# Altium PCB roach2.PcbDoc (part 5 of 39) (continued)
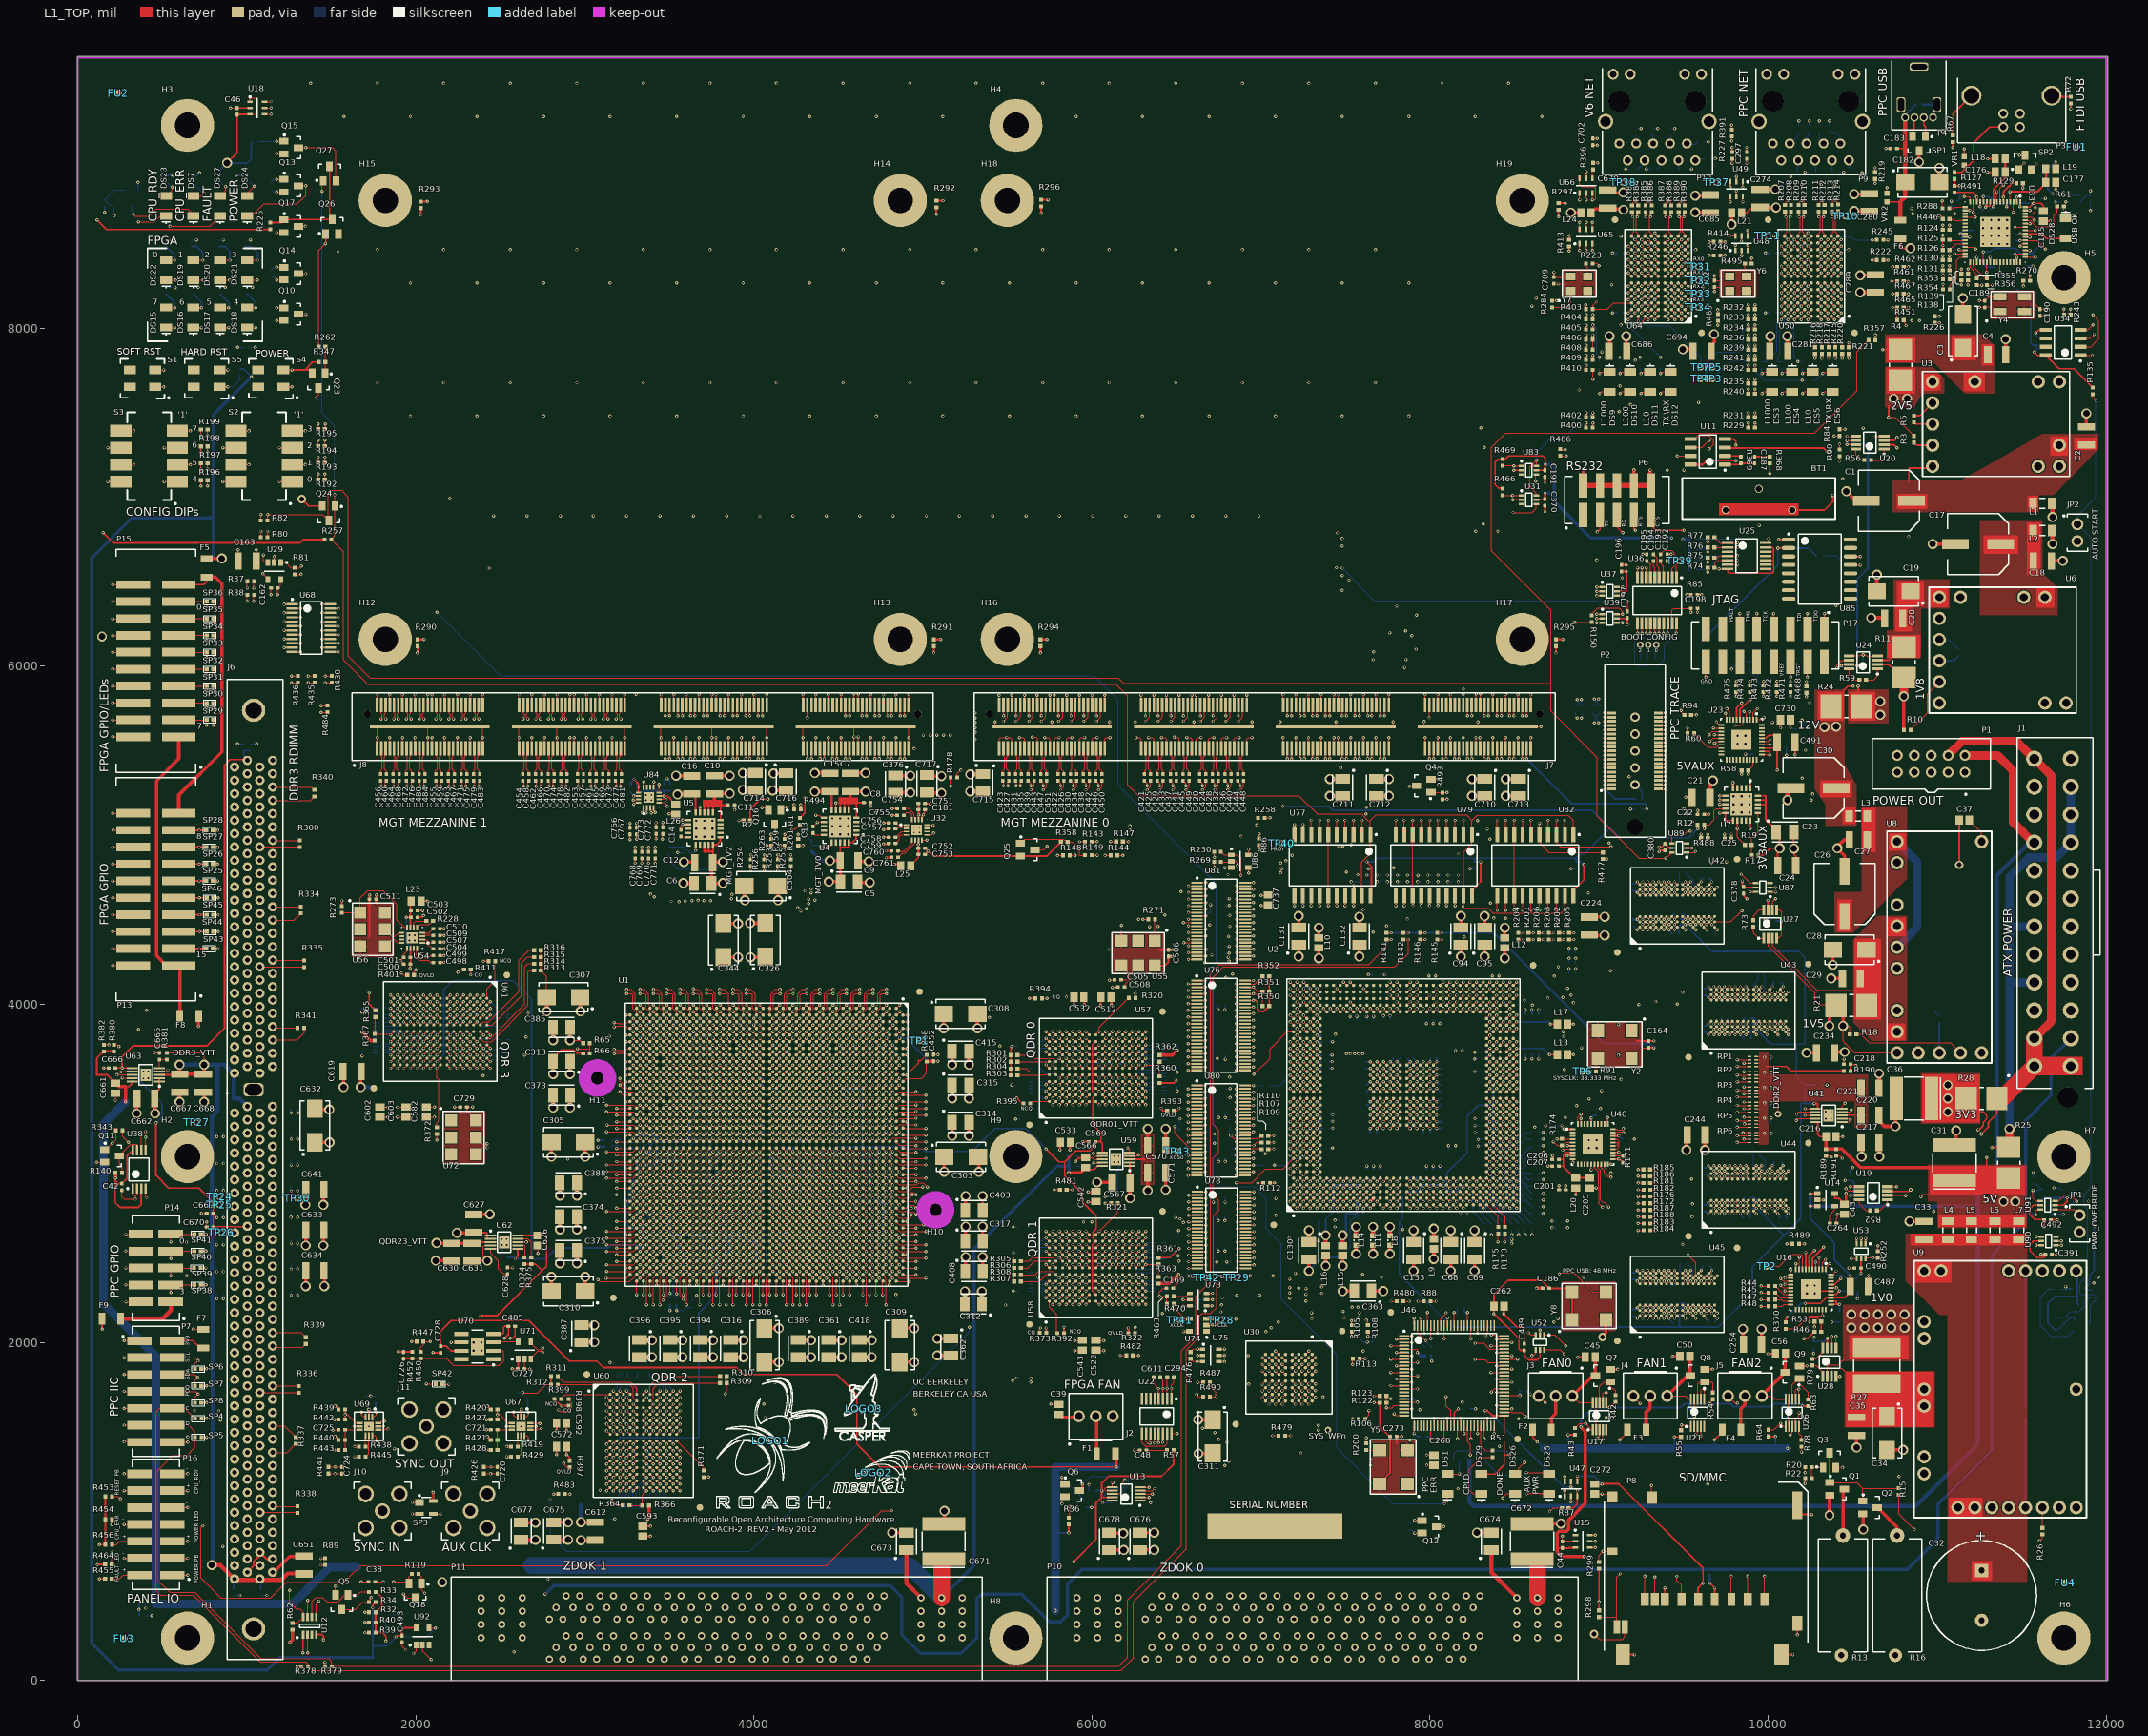
[diagram p0: L1_TOP view]
## Footprints (in the part's own frame and the unit in brackets; to place one, negate y for a bottom-side part, rotate by r counter-clockwise, add the part's x,y. Pads: shape width x height; smd on the part's side, far side on the other; paste and mask are expansions set on the pad) (continued)
  round 1.42 hole 0.82: 39(5.08,0) 40(2.54,0) 41(0,0) 42(-2.54,0) 43(-5.08,0)
  round 2.35 hole 2.4 unplated: M0(11.43,0)
  silkscreen extent -12.95,-5.2 12.95,4.57, body extent -12.7,-4.36 12.7,4.36, height 6.1
TYCO_6367550-5 [mm] "TYCO, 80-pin, 6-Utility pin, ZDOK Connector"
  round 1.1 hole 0.6: A1(-25.14,-6) A2(-23.11,-6) A3(-20.06,-6) A4(-18.03,-6) A5(-14.98,-6) A6(-12.95,-6) A7(-9.9,-6) A8(-7.87,-6) A9(-4.82,-6) A10(-2.79,-6) A11(0.26,-6) A12(2.29,-6) A13(5.34,-6) A14(7.37,-6) A15(10.42,-6) A16(12.45,-6) A17(15.5,-6) A18(17.53,-6) A19(20.58,-6) A20(22.61,-6) B1(-24.13,-4.25) B2(-21.59,-4.25) B3(-19.05,-4.25) B4(-16.51,-4.25) B5(-13.97,-4.25) B6(-11.43,-4.25) B7(-8.89,-4.25) B8(-6.35,-4.25) B9(-3.81,-4.25) B10(-1.27,-4.25) B11(1.27,-4.25) B12(3.81,-4.25) B13(6.35,-4.25) B14(8.89,-4.25) B15(11.43,-4.25) B16(13.97,-4.25) B17(16.51,-4.25) B18(19.05,-4.25) B19(21.59,-4.25) B20(24.13,-4.25) C1(-22.605,-2.5) C2(-20.575,-2.5) C3(-17.525,-2.5) C4(-15.495,-2.5) C5(-12.445,-2.5) C6(-10.415,-2.5) C7(-7.365,-2.5) C8(-5.335,-2.5) C9(-2.285,-2.5) C10(-0.255,-2.5) C11(2.795,-2.5) C12(4.825,-2.5) C13(7.875,-2.5) C14(9.905,-2.5) C15(12.955,-2.5) C16(14.985,-2.5) C17(18.035,-2.5) C18(20.065,-2.5) C19(23.115,-2.5) C20(25.145,-2.5) D1(-25.14,0) D2(-23.11,0) D3(-20.06,0) D4(-18.03,0) D5(-14.98,0) D6(-12.95,0) D7(-9.9,0) D8(-7.87,0) D9(-4.82,0) D10(-2.79,0) D11(0.26,0) D12(2.29,0) D13(5.34,0) D14(7.37,0) D15(10.42,0) D16(12.45,0) D17(15.5,0) D18(17.53,0) D19(20.58,0) D20(22.61,0) E1(-24.13,1.75) E2(-21.59,1.75) E3(-19.05,1.75) E4(-16.51,1.75) E5(-13.97,1.75) E6(-11.43,1.75) E7(-8.89,1.75) E8(-6.35,1.75) E9(-3.81,1.75) E10(-1.27,1.75) E11(1.27,1.75) E12(3.81,1.75) E13(6.35,1.75) E14(8.89,1.75) E15(11.43,1.75) E16(13.97,1.75) E17(16.51,1.75) E18(19.05,1.75) E19(21.59,1.75) E20(24.13,1.75) F1(-22.605,3.5) F2(-20.575,3.5) F3(-17.525,3.5) F4(-15.495,3.5) F5(-12.445,3.5) F6(-10.415,3.5) F7(-7.365,3.5) F8(-5.335,3.5) F9(-2.285,3.5) F10(-0.255,3.5) F11(2.795,3.5) F12(4.825,3.5) F13(7.875,3.5) F14(9.905,3.5) F15(12.955,3.5) F16(14.985,3.5) F17(18.035,3.5) F18(20.065,3.5) F19(23.115,3.5) F20(25.145,3.5) W1(36.905,-2.79) W2(33.805,-2.79) W3(30.705,-2.79) W4(-29.2,-2.79) W5(-32.3,-2.79) W6(-35.4,-2.79) X1(36.905,-0.79) X2(33.805,-0.79) X3(30.705,-0.79) X4(-29.2,-0.79) X5(-32.3,-0.79) X6(-35.4,-0.79) Y1(36.905,1.21) Y2(33.805,1.21) Y3(30.705,1.21) Y4(-29.2,1.21) Y5(-32.3,1.21) Y6(-35.4,1.21) Z1(36.905,3.21) Z2(33.805,3.21) Z3(30.705,3.21) Z4(-29.2,3.21) Z5(-32.3,3.21) Z6(-35.4,3.21)
  silkscreen extent -39.88,-9.14 39.88,6.35, body extent -39.5,-18 39.5,5.96, height 10.5
VAR_V5_5MLA0603 [mm] "Varistor, 2-Leads, Body 1.6x0.8mm, IPC High Density"
  rect 0.8x0.8 smd: 1(-0.65,0) 2(0.65,0)
  body extent -0.83,-0.43 0.82,0.43, height 1
VISHAY_AC5 [mm]
  round 2.2 hole 0.9: 1(-9,0)
  round 2 hole 0.9: 2(9,-0.254)
  silkscreen extent -8.51,-3.68 8.51,3.68, body extent -8.51,-3.68 8.49,3.81, height 8.47
VQFN20 [mm]
  rect 0.95x0.35 smd: 1(-2.425,1.3) 2(-2.425,0.65) 3(-2.425,0) 4(-2.425,-0.65) 5(-2.425,-1.3) 11(2.425,-1.3) 12(2.425,-0.65) 13(2.425,0) 14(2.425,0.65) 15(2.425,1.3)
  rect 0.35x0.95 smd: 6(-1.3,-2.425) 7(-0.65,-2.425) 8(0,-2.425) 9(0.65,-2.425) 10(1.3,-2.425) 16(1.3,2.425) 17(0.65,2.425) 18(0,2.425) 19(-0.65,2.425) 20(-1.3,2.425)
  rect 3.3x3.3 smd paste-0.495: 21(0,0)
  silkscreen extent -3.57,-2.6 2.6,2.6, body extent -2.57,-2.58 2.58,2.57, height 1
VQG100_L [mm] "100-Pin Very Thin Quad Flat Pack (VQG100) - Pb-Free, IPC High Density"
  oval 1.55x0.25 smd: 1(-7.525,6) 2(-7.525,5.5) 3(-7.525,5) 4(-7.525,4.5) 5(-7.525,4) 6(-7.525,3.5) 7(-7.525,3) 8(-7.525,2.5) 9(-7.525,2) 10(-7.525,1.5) 11(-7.525,1) 12(-7.525,0.5) 13(-7.525,0) 14(-7.525,-0.5) 15(-7.525,-1) 16(-7.525,-1.5) 17(-7.525,-2) 18(-7.525,-2.5) 19(-7.525,-3) 20(-7.525,-3.5) 21(-7.525,-4) 22(-7.525,-4.5) 23(-7.525,-5) 24(-7.525,-5.5) 25(-7.525,-6) 51(7.525,-6) 52(7.525,-5.5) 53(7.525,-5) 54(7.525,-4.5) 55(7.525,-4) 56(7.525,-3.5) 57(7.525,-3) 58(7.525,-2.5) 59(7.525,-2) 60(7.525,-1.5) 61(7.525,-1) 62(7.525,-0.5) 63(7.525,0) 64(7.525,0.5) 65(7.525,1) 66(7.525,1.5) 67(7.525,2) 68(7.525,2.5) 69(7.525,3) 70(7.525,3.5) 71(7.525,4) 72(7.525,4.5) 73(7.525,5) 74(7.525,5.5) 75(7.525,6)
  oval 0.25x1.55 smd: 26(-6,-7.525) 27(-5.5,-7.525) 28(-5,-7.525) 29(-4.5,-7.525) 30(-4,-7.525) 31(-3.5,-7.525) 32(-3,-7.525) 33(-2.5,-7.525) 34(-2,-7.525) 35(-1.5,-7.525) 36(-1,-7.525) 37(-0.5,-7.525) 38(0,-7.525) 39(0.5,-7.525) 40(1,-7.525) 41(1.5,-7.525) 42(2,-7.525) 43(2.5,-7.525) 44(3,-7.525) 45(3.5,-7.525) 46(4,-7.525) 47(4.5,-7.525) 48(5,-7.525) 49(5.5,-7.525) 50(6,-7.525) 76(6,7.525) 77(5.5,7.525) 78(5,7.525) 79(4.5,7.525) 80(4,7.525) 81(3.5,7.525) 82(3,7.525) 83(2.5,7.525) 84(2,7.525) 85(1.5,7.525) 86(1,7.525) 87(0.5,7.525) 88(0,7.525) 89(-0.5,7.525) 90(-1,7.525) 91(-1.5,7.525) 92(-2,7.525) 93(-2.5,7.525) 94(-3,7.525) 95(-3.5,7.525) 96(-4,7.525) 97(-4.5,7.525) 98(-5,7.525) 99(-5.5,7.525) 100(-6,7.525)
  round 1 smd paste-1 mask+0.5: FU1(-9.525,9.525) FU2(9.525,-9.525)
  silkscreen extent -7.65,-6.35 6.35,6.8, body extent -7,-7 7,7, height 1.2

## Part data
BT1: library part ELMECH-BAT-4, "Vertical, Through Hole Mount CR 2032, 20mm Coin Cell Retainer"
C1 C17 C26 C30: library part CAP-ELC-1, "330uF, Surface Mount, Radial, Aluminium Electrolytic Capacitor"
C2 C4 C18 C20 C27 C29 C33 C35: library part CAP-CER-9, "22uF, Ceramic Capacitor"
C3 C19: library part CAP-TAN-8, "680uF, Conductive Polymer Chip Capacitor"
C5 C6 C23 C68 C69 C94 C95 C130 C131 C132 C133 C673 C674 C675 C676 C677 C678: library part CAP-TAN-6, "100uF, Low ESR, Tantalum Capacitor"
C7 C9 C10 C12 C15 C16 C21 C24 C163 C217 C220 C221 C224 C234 C244 C254 C274 C280 C281 C289 C487 C491 C567 C570 C571 C612 C619 C627 C630 C631 C633 C634 C641 C651 C662 C667 C668 C679 C685 C686 C694: library part CAP-CER-5, "10uF, Ceramic Capacitor"
C8 C11 C22 C42 C44 C46 C47 C48 C49 C53 C54 C55 C57 C58 C59 C61 C62 C63 C64 C65 C66 C67 C70 C71 C72 C73 C74 C75 C76 C77 C78 C79 C81 C82 C83 C85 C86 C87 C88 C89 C90 C91 C92 C96 C97 C98 C99 C100 C101 C102 C103 C104 C105 C106 C107 C108 C109 C110 C111 C112 C113 C114 C115 C116 C117 C118 C119 C120 C121 C122 C123 C124 C125 C126 C127 C128 C129 C134 C135 C136 C137 C138 C139 C140 C141 C142 C143 C144 C145 C146 C147 C148 C149 C150 C151 C152 C153 C154 C155 C156 C157 C158 C159 C160 C161 C162 C164 C165 C166 C167 C168 C170 C171 C172 C173 C174 C175 C178 C179 C180 C181 C183 C188 C191 C192 C193 C194 C195 C196 C197 C198 C199 C200 C201 C206 C207 C211 C212 C213 C214 C215 C219 C222 C223 C225 C226 C227 C228 C229 C230 C231 C232 C233 C235 C236 C237 C238 C239 C240 C241 C242 C243 C245 C246 C247 C248 C249 C250 C251 C252 C253 C255 C256 C257 C258 C259 C260 C261 C263 C265 C266 C267 C269 C270 C271 C273 C276 C277 C278 C279 C282 C283 C284 C285 C286 C287 C288 C290 C291 C292 C293 C295 C296 C297 C298 C299 C300 C301 C302 C364 C370 C371 C372 C378 C380 C391 C406 C407 C452 C485 C489 C490 C492 C493 C494 C500 C502 C506 C511 C513 C514 C515 C516 C517 C518 C519 C520 C523 C524 C525 C526 C527 C528 C529 C530 C534 C535 C536 C537 C538 C539 C540 C544 C545 C546 C547 C548 C549 C550 C569 C573 C574 C575 C576 C577 C578 C579 C580 C583 C584 C585 C586 C587 C588 C589 C590 C594 C595 C596 C597 C598 C599 C600 C604 C605 C606 C607 C608 C609 C610 C629 C635 C636 C637 C638 C639 C640 C642 C643 C644 C645 C646 C647 C648 C649 C650 C652 C653 C654 C655 C664 C666 C670 C681 C682 C683 C684 C687 C688 C689 C690 C691 C692 C693 C695 C696 C697 C698 C699 C700 C702 C709 C721 C725 C727 C728 C729 C731 C732 C734 C736 C738 C740 C741 C743 C744 C746 C748 C750 C752 C762 C764 C774 C775 C776 C777 C778 C779: library part CAP-CER-1, "0.1uF, Ceramic Capacitor"
C13 C14 C25 C186 C264 C420 C421 C422 C423 C424 C425 C426 C427 C428 C429 C430 C431 C432 C433 C434 C435 C436 C437 C438 C439 C440 C441 C442 C443 C444 C445 C446 C447 C448 C449 C450 C451 C453 C454 C455 C456 C457 C458 C459 C460 C461 C462 C463 C464 C465 C466 C467 C468 C469 C470 C471 C472 C473 C474 C475 C476 C477 C478 C479 C480 C481 C482 C483 C484 C486 C488 C498 C499 C504 C505 C507 C508 C509 C510 C663 C669 C703 C704 C705 C706 C707 C708 C718 C719 C720 C722 C723 C724 C754 C755 C756 C757 C758 C759 C760 C761 C766 C767 C768 C769 C770 C771 C772 C773: library part CAP-CER-6, "0.01uF, Ceramic Capacitor"
C28 C34: library part CAP-TAN-4, "1500uF, Conductive Polymer Chip Capacitor"
C31 C36 C671 C672: library part CAP-TAN-3, "330uF, Solid Tantalum Chip Capacitor"
C32: library part CAP-ELC-0, "1000uF, Aluminium Electrolytic Capacitor"
C37 C40 C41 C51 C52: library part CAP-CER-8, "1uF, Ceramic Capacitor"
C38 C202 C203 C204 C208 C209 C210 C327 C328 C329 C330 C331 C332 C333 C334 C335 C336 C337 C338 C339 C340 C341 C342 C343 C345 C346 C347 C348 C349 C350 C351 C352 C353 C354 C355 C356 C357 C358 C359 C360 C368 C382 C384 C398 C400 C402 C405 C410 C412 C414 C417 C521 C531 C541 C551 C552 C553 C554 C555 C556 C557 C558 C559 C560 C561 C562 C563 C564 C565 C581 C591 C601 C613 C614 C615 C616 C617 C618 C620 C621 C622 C623 C624 C625: library part CAP-CER-7, "0.47uF, Ceramic Capacitor"
C39 C43 C45 C50 C56 C176 C177 C185 C205 C216 C262 C268 C272 C512 C522 C532 C533 C542 C543 C566 C572 C582 C592 C593 C602 C603 C626 C661 C730 C733 C735 C737 C739 C742 C745 C747 C749: library part CAP-CER-3, "4.7uF, Ceramic Capacitor"
C60 C80 C84 C93 C184 C218 C275 C294 C501 C503 C568 C611 C628 C665 C680 C751 C753 C763 C765: library part CAP-CER-4, "1000pF, Ceramic Capacitor"
C169 C189 C190 C726: library part CAP-CER-2, "22pF, Ceramic Capacitor"
C182: library part CAP-TAN-0, "220uF, Solid Tantalum Chip Capacitor"
C187: library part CAP-CER-14, "100pF, Ceramic Capacitor"
C303 C304 C305 C306 C307 C308 C309 C310 C311 C326 C344 C632: library part CAP-TAN-2, "330uF, Conductive Polymer Chip Capacitor"
C312 C313 C314 C315 C316 C317 C361 C362 C363 C373 C374 C375 C376 C385 C387 C388 C389 C394 C395 C396 C403 C408 C415 C418 C710 C711 C712 C713 C714 C715 C716 C717: library part CAP-TAN-1, "47uF, Conductive Polymer Chip Capacitor"
C318 C319 C320 C321 C322 C323 C324 C325 C365 C366 C367 C369 C377 C379 C381 C383 C386 C390 C392 C393 C397 C399 C401 C404 C409 C411 C413 C416 C419: library part CAP-CER-11, "4.7uF, Ceramic Capacitor"
DS1 DS7 DS26 DS27 DS28: library part OPTO-LED-1, "Red, Surface mount, LED, 1206"
DS3 DS4 DS5 DS6 DS9 DS10 DS11 DS12 DS15 DS16 DS17 DS18 DS19 DS20 DS21 DS22 DS23 DS24 DS25 DS29: library part OPTO-LED-0, "Green, Surface mount, LED, 1206"
F1 F2 F3 F4 F5 F6 F7 F8 F9: library part ELMECH-FUSE-0, "Resettable, Surface mount Fuse"
FU1 FU2 FU3 FU4: library part MECH-FU-1, "1mm Fiducial mark"
H1 H2 H3 H4 H5 H6 H7 H8 H9 H12 H13 H14 H15 H16 H17 H18 H19: library part ELMECH-MH-0, "3.81mm Diameter, ATX mounting hole"
H10 H11: library part ELMECH-MH-1, "3.2mm Diameter, Unplated, Floating mounting Hole"
J1: library part CONN-PCB-5, "24-Pin ATX Connector"
J2 J3 J4 J5: library part CONN-PCB-6, "3-pin ATX Fan Connector"
J6: library part CONN-PCB-3, "240-pin DDR3 DIMM Socket"
J7 J8: library part CONN-PCB-23, "Shielded, 64-Differential Pair, Rugged High-Speed Terminal Strip, 0.635mm Pitch,"
J9 J10 J11: library part CONN-PCB-17, "PCB-Mounted, Vertical, SMA Connector"
JP1 JP2: library part CONN-PCB-14, "1x2, 2.56mm, Header/Jumper"
L1 L2 L3 L4 L5 L6 L7: library part IND-FB-1, "120 Ohm, Chip Ferrite Brad"
L8 L11 L14: library part IND-FB-2, "180 Ohm, Chip Ferrite Brad"
L9 L10 L12 L13 L15 L16 L17 L18 L19 L20 L21 L23 L24 L25 L26: library part IND-FB-0, "600 Ohm, Chip Ferrite Bead"
LOGO1: library part GRAPH-LOGO-0
LOGO2: library part GRAPH-LOGO-1
LOGO3: library part GRAPH-LOGO-2
P1: library part CONN-PCB-13, "2x5, 2.54 mm Pitch, Through-hole, 1 Amp, Female Header"
P2: library part CONN-PCB-9, "TRACE Debug Interface Receptacle"
P3: library part CONN-PCB-25, "Right angle, Through-hole, USB Type B Receptacle"
P4: library part CONN-PCB-18, "Right angle, Through-hole, USB Type A Receptacle"
P6 P14: library part CONN-PCB-12, "2x5, 2.54 mm Pitch, Male Header"
P7 P16: library part CONN-PCB-16, "2x7, 2.54 mm Pitch, Male Header"
P8: library part CONN-PCB-24, "Push/Push SD Card Connector with Card Detection"
P9 P12: library part CONN-PCB-4, "RJ45 with Integrated magnetic and dual LEDs"
P10 P11: library part CONN-PCB-8, "ZDOK+ Host Board Connector"
P13 P15: library part CONN-PCB-10, "2x10, 2.54mm Pitch, Male Shrouded Header"
P17: library part CONN-PCB-11, "2x8, 2.54 mm Pitch, Male Header"
Q1 Q2 Q6 Q7 Q8 Q9: library part TRANS-NFET-1, "N-Channel Logic Level Enhancement Mode Field Effect Transistor"
Q3 Q4 Q5 Q10 Q11 Q12 Q13 Q14 Q15 Q16 Q17 Q18 Q19 Q20 Q21 Q22 Q23 Q24 Q25 Q26 Q27 Q28: library part TRANS-NFET-0, "N-Channel Logic Level Enhancement Mode Field Effect Transistor"
R1 R2 R12 R15 R22 R30 R31 R32 R34 R35 R36 R42 R43 R54 R55 R58 R62 R63 R64 R68 R69 R70 R71 R78 R94 R119 R132 R133 R134 R150 R171 R172 R176 R181 R182 R183 R184 R185 R186 R187 R188 R189 R191 R235 R240 R322 R323 R324 R358 R360 R361 R362 R363 R364 R365 R366 R367 R370 R373 R374 R375 R380 R382 R392 R393 R394 R395 R397 R398 R399 R401 R411 R417 R419 R438 R466 R469 R492 R493 R494: library part RES-TF-5, "10K, 1.1mm x 0.5mm, Thick Film Resistor"
R3 R10: library part RES-TF-43, "8K06, 1.1mm x 0.5mm, Thick Film Resistor"
R4 R24: library part RES-MS-0, "5 milliohm, Power Metal Strip, Sense Resistor"
R5: library part RES-TF-34, "2K37, 1.1mm x 0.5mm, Thick Film Resistor"
R6: library part RES-TF-35, "1K13, 1.1mm x 0.5mm, Thick Film Resistor"
R7: library part RES-TF-36, "2K49, 1.1mm x 0.5mm, Thick Film Resistor"
R8: library part RES-TF-37, "4K53, 1.1mm x 0.5mm, Thick Film Resistor"
R9 R245 R414: library part RES-TF-13, "4K99, 1.1mm x 0.5mm, Thick Film Resistor"
R11 R25 R28: library part RES-MS-1, "2 milliohm, Power Metal Strip, Sense Resistor"
R13: library part RES-WW-0, "10R, Cemented Wire Round Resistor"
R14: library part RES-TF-23, "4K75, 1.1mm x 0.5mm, Thick Film Resistor"
R16: library part RES-WW-1, "56R, Cemented Wire Round Resistor"
R17: library part RES-TF-26, "3K57, 1.1mm x 0.5mm, Thick Film Resistor"
R18: library part RES-TF-44, "6K49, 1.1mm x 0.5mm, Thick Film Resistor"
R19 R349: library part RES-TF-28, "1K15, 1.1mm x 0.5mm, Thick Film Resistor"
R20 R44 R45 R47 R48 R60 R67 R72 R74 R75 R76 R77 R91 R105 R107 R108 R109 R110 R112 R124 R125 R126 R130 R131 R138 R139 R143 R144 R147 R148 R149 R173 R175 R200 R223 R226 R229 R231 R232 R233 R234 R236 R239 R241 R242 R243 R246 R255 R270 R271 R273 R284 R288 R290 R291 R292 R293 R294 R295 R296 R297 R300 R301 R302 R303 R304 R305 R306 R307 R308 R309 R310 R311 R312 R313 R314 R315 R316 R334 R335 R336 R337 R338 R339 R340 R341 R353 R354 R355 R356 R357 R378 R379 R400 R402 R403 R404 R405 R406 R408 R409 R410 R413 R426 R436 R441 R446 R462 R463 R465 R467 R470 R471 R472 R473 R474 R475 R477 R478 R479 R480 R481 R482 R483 R484 R485 R486 R487 R488 R489 R490 R495: library part RES-TF-0, "0R, 1.1mm x 0.5mm, Thick Film Resistor"
R21: library part RES-MS-2, "1 milliohm, Power Metal Strip, Sense Resistor"
R23 R46: library part RES-TF-29, "19K6, 1.1mm x 0.5mm, Thick Film Resistor"
R26 R80: library part RES-TF-30, "17K4, 1.1mm x 0.5mm, Thick Film Resistor"
R27: library part RES-MF-0, "0.25 milliohm, Power Metal Foil;, Sense Resistor"
R29 R33 R429 R445: library part RES-TF-33, "63K4, 1.1mm x 0.5mm, Thick Film Resistor"
R37: library part RES-TF-1, "330R, 1.1mm x 0.5mm, Thick Film Resistor"
R38 R56: library part RES-TF-48, "768R, 1.1mm x 0.5mm, Thick Film Resistor"
R39 R40: library part RES-TF-50, "1K5, 1.1mm x 0.5mm, Thick Film Resistor"
R41 R53 R135 R136 R249 R348 R421 R428 R440 R443: library part RES-TF-20, "10K, 1.1mm x 0.5mm, Thick Film Resistor"
R49 R50 R84 R85 R86 R87 R88 R89 R90 R92 R96 R97 R98 R99 R100 R101 R102 R103 R104 R106 R113 R116 R117 R118 R120 R121 R127 R137 R141 R142 R192 R193 R194 R195 R196 R197 R198 R199 R225 R230 R252 R253 R254 R256 R258 R259 R260 R261 R263 R269 R289 R298 R299 R342 R343 R344 R345 R346 R350 R351 R352 R359 R376 R377 R430 R435 R448 R451 R458 R459 R460 R461 R464 R476: library part RES-TF-7, "3K3, 1.1mm x 0.5mm, Thick Film Resistor"
R51 R61 R82 R83 R123 R224 R418 R422 R423 R424 R425 R431 R432 R433 R434 R453 R454 R455 R456 R457: library part RES-TF-19, "200R, 1.1mm x 0.5mm, Thick Film Resistor"
R52 R59 R73: library part RES-TF-49, "1K2, 1.1mm x 0.5mm, Thick Film Resistor"
R57 R114 R207 R208 R209 R210 R211 R212 R213 R214 R219 R227 R237 R244 R247 R248 R264 R265 R266 R267 R272 R274 R275 R276 R277 R278 R279 R280 R281 R282 R283 R317 R318 R319 R325 R326 R327 R328 R329 R330 R331 R332 R333 R383 R384 R385 R386 R387 R388 R389 R390 R391 R396 R407 R412 R415 R416 R447 R468: library part RES-TF-10, "49R9, 1.1mm x 0.5mm, Thick Film Resistor"
R65 R66 R174 R177 R178 R179 R180 R190 R228 R268 R381 R420 R427 R439 R442: library part RES-TF-14, "100R, 1.1mm x 0.5mm, Thick Film Resistor"
R79: library part RES-TF-47, "470R, 1.1mm x 0.5mm, Thick Film Resistor"
R81 R93 R95 R111 R115 R140 R145 R146 R238 R250 R251 R257 R450 R452 R491: library part RES-TF-8, "1K, 1.1mm x 0.5mm, Thick Film Resistor"
R122 R320 R321 R371 R372 R437 R444 R449: library part RES-TF-15, "249R, 1.1mm x 0.5mm, Thick Film Resistor"
R128: library part RES-TF-2, "3K4, 1.1mm x 0.5mm, Thick Film Resistor"
R129: library part RES-TF-3, "12K, 1.1mm x 0.5mm, Thick Film Resistor"
R151 R152 R153 R154 R155 R156 R157 R158 R159 R160 R161 R162 R163 R164 R165 R166 R167 R168 R169 R170 R201 R202 R203 R204 R205 R206 R215 R216 R217 R218 R220 R221 R222 R285 R286 R287: library part RES-TF-24, "3R3, 1.1mm x 0.5mm, Thick Film Resistor"
R262 R347: library part RES-TF-51, "100K, 1.1mm x 0.5mm, Thick Film Resistor"
R368: library part RES-TF-53, "1M, 1.1mm x 0.5mm, Thick Film Resistor"
R369: library part RES-TF-52, "33K, 1.1mm x 0.5mm, Thick Film Resistor"
RP1 RP2 RP3 RP4 RP5 RP6 RP7 RP8 RP9 RP10 RP11 RP12 RP13 RP14 RP15 RP16 RP17 RP18 RP19 RP20 RP21 RP22 RP23 RP24 RP25 RP26: library part RES-TF-39, "4-Wide, Isolated, Thick Film Resistor Network"
S1 S4 S5: library part ELMECH-SW-1, "4mm, Surface mount, Sealed Key Switch"
S2 S3: library part ELMECH-SW-0, "4-Input, Surface mount, DIP Switch"
SP1 SP2: library part ELMECH-ESD-4, "Ultra-low Capacitance, Surface mount ESD Suppressor"
SP3: library part ELMECH-ESD-1, "Ultra-low capacitance, double rail-to-rail, ESD protection diode in a SOT143B package"
SP4 SP5 SP6 SP7 SP8 SP9 SP10 SP11 SP12 SP13 SP14 SP15 SP16 SP17 SP18 SP19 SP20 SP21 SP22 SP23 SP24 SP25 SP26 SP27 SP28 SP29 SP30 SP31 SP32 SP33 SP34 SP35 SP36 SP38 SP39 SP40 SP41 SP42 SP43 SP44 SP45 SP46: library part ELMECH-ESD-3, "Surface Mount Polymeric ESD Suppressor in an 0402 package"
TP1 TP2 TP3 TP4 TP5 TP6 TP7 TP10 TP11 TP24 TP25 TP26 TP27 TP28 TP29 TP30 TP31 TP32 TP33 TP34 TP37 TP38 TP39 TP40 TP41 TP42 TP43: library part ELMECH-TP-0, "1mm Diameter, through-hole, Circular Test-point"
U1: library part IC-PLD-0, "Virtex-6 475SXT 1760-pin FPGA"
U2: library part IC-CPU-1, "667MHz, non-RoHS, PPC440EPx uProcessor"
U3: library part IC-REG-2, "10-A, 4.5-V to 14-V INPUT, NON-ISOLATED, WIDE-OUTPUT, ADJUSTABLE POWER MODULE WITH TurboTrans"
U4 U5 U7: library part IC-REG-5, "3.0A Ultra-LDO with Programmable Soft-Start"
U6: library part IC-REG-1, "16-A, 4.5-V to 14-V INPUT, NON-ISOLATED, WIDE-OUTPUT, ADJUSTABLE POWER MODULE WITH TurboTrans"
U8: library part IC-REG-0, "30-A, 5.5V-14-V INPUT, NON-ISOLATED, WIDE OUTPUT ADJUST, POWER MODULE WITH TURBOTRANS"
U9: library part IC-REG-3, "50-A, 4.5-V to 14-V INPUT, NON-ISOLATED,  WIDE-OUTPUT, ADJUSTABLE POWER MODULE WITH TurboTrans"
U10 U29 U92: library part IC-MON-4, "Dual-power low voltage supervisor"
U11: library part IC-MON-5, "I2C Real-Time Clock"
U12: library part IC-MON-8, "Push Button On/Off Controller"
U13 U17 U21 U26: library part IC-MON-2, "Fan-Speed Regulators and Monitors with SMBus/I2C-Compatible Interface"
U14: library part IC-REG-8, "Micropower, 150mA Low-Noise Ultra Low-Dropout CMOS 3.8V Voltage Regulator in SOT23-5"
U15 U18: library part IC-MON-6, "0.5 C Accurate, 10-bit Temperature Sensor"
U16 U23: library part IC-MON-3, "8-Channel, Flash-Configurable System Monitor with Nonvolatile Fault Registers"
U19 U20 U24 U27 U28: library part IC-AMP-0, "Micro-Power, Zero-Drift, Rail-to-Rail Out Instrumentation Amplifier"
U22: library part IC-MON-1, "Multichannel Remote/Local Temperature Sensors"
U25: library part IC-LOG-2, "Dual 4-Input Positive-AND Gates"
U30: library part IC-MEM-0, "3V, 1 Gigabit NOR Flash"
U31 U37 U39 U52 U53 U83 U87 U89 U90 U91: library part IC-LOG-5, "Low voltage SPDT Analogue Switch"
U32 U54 U84: library part IC-LOG-14, "2.5 C Ultra-precision 1:4 LVDS Fanout Buffer/Translator with Interal Termination"
U33: library part IC-IF-0, "Quad High Speed USB to Multipurpose UART/MPSSE"
U34: library part IC-MEM-3, "2K Microwire Compatible Serial EEPROM"
U36: library part IC-LOG-9, "Low-power RS232 transceivers"
U38: library part IC-MEM-4, "4K Serial EEPROM"
U40: library part IC-LOG-15, "SSTL Zero-Delay Clock Buffer"
U41 U59 U62 U63: library part IC-REG-6, "3A Sink/Source Regulator"
U42 U43 U44 U45: library part IC-MEM-2, "2Gb, x16, BGA84 DDR2 SDRAM IC"
U46: library part IC-PLD-1, "CoolRunner-II, 1.8V, 256 Macrocell CPLD, 100-Pin VQFP, Pb-Free, Commercial Grade"
U47: library part IC-LOG-6, "6-pin 1 Ohm analogue switch"
U48 U49 U65 U66: library part IC-LOG-3, "Single 3-input Positive-NAND gate"
U50 U64: library part IC-PHY-1, "Integrated 10/100/1000 Ultra Gigabit Ethernet Transceiver"
U55: library part RESN-CLK-3, "125.00 MHz, Low-Jitter Differential LVDS Clock Oscillator"
U56: library part RESN-CLK-4, "156.25 MHz, Low-Jitter Differential LVDS Clock Oscillator"
U57 U58 U60 U61: library part IC-MEM-1, "72Mb, 36-Bit wide, QDR2+ Synchronous SRAM with ODT"
U67 U69: library part IC-LOG-7, "Rail-to-Rail, Very Fast, 2.5 V to 5.5 V, Single-Supply LVDS Comparators"
U68: library part IC-LOG-10, "8-BIT DUAL-SUPPLY BUS TRANSCEIVER  WITH CONFIGURABLE VOLTAGE TRANSLATION AND 3-STATE OUTPUTS"
U70: library part IC-AMP-2, "HIGH VOLTAGE, LOW-DISTORTION, CURRENT-FEEDBACK AMPLIFIERS"
U71: library part IC-LOG-8, "Single High-Speed Differential Line Receiver with ODT"
U72: library part RESN-CLK-2, "100.00 MHz, Low-Jitter Differential LVDS Clock Oscillator"
U73 U75: library part IC-LOG-13, "Single-Bit Dual Supply Bus Transceiver with Configurable Voltage Translation and 3-State Outputs"
U74: library part IC-LOG-1, "Single Inverter Gate"
U76 U80: library part IC-LOG-12, "20-Bit Dual-Supply Bus Transceivers with Configurable Voltage Translation and 3-State Outputs"
U77 U79 U82: library part IC-LOG-4, "Octal Buffer/Drive with 3-State Outputs"
U78 U81: library part IC-LOG-11, "16-BIT DUAL-SUPPLY BUS TRANSCEIVER WITH CONFIGURABLE VOLTAGE TRANSLATION AND 3-STATE OUTPUTS"
U85: library part IC-MON-7, "Temperature Compensated, 32.768 kHz Crystal Oscillator"
U86: library part IC-LOG-0, "TinyLogic® HS 2-Input AND Gate"
VR1 VR2: library part ELMECH-ESD-2, "Multilayer Transient Voltage Surge Suppressing Varistor"
Y2 Y5: library part RESN-CLK-1, "Surface mount, 33.3333 MHz, 3V3 Clock, oscillator"
Y4: library part RESN-XTAL-4, "12 MHz, Surface mount, Crystal Oscillator"
Y6 Y7: library part RESN-CLK-5, "25.00 MHz, 2V5, CTS 636 clock oscillator"
Y8: library part RESN-CLK-7, "48 MHz, 3V3, Surface mount, Clock Oscillator"

## Free pads (board coordinates)
  rect 800x150 smd paste-1000: 0(7082.99,912.99)
  round 39.37 hole 19.68: 0(7397,1480.99) 0(9244.09,6125.98) 0(9291.34,6125.98) 0(9338.58,6125.98) 0(10059.06,3350.39)

## Via types
v1: diameter 19.4, hole 10, L1_TOP to L16_BOT, tented both sides, 3354 vias
v2: diameter 19.4, hole 10, L1_TOP to L16_BOT, 1884 vias
v3: diameter 19.4, hole 10, L1_TOP to L16_BOT, tented top, 410 vias
v4: diameter 18.6, hole 10, L1_TOP to L16_BOT, tented both sides, 311 vias
v5: diameter 59.06, hole 39.37, L1_TOP to L16_BOT, 217 vias
v6: diameter 19, hole 10, L1_TOP to L16_BOT, 198 vias
v7: diameter 19.4, hole 10.04, L1_TOP to L16_BOT, 125 vias
v8: diameter 19.4, hole 10, L1_TOP to L16_BOT, tented bottom, 80 vias
v9: diameter 25.98, hole 12.99, L1_TOP to L16_BOT, tented top, 59 vias
v10: diameter 20, hole 10, L1_TOP to L16_BOT, 52 vias
v11: diameter 59.06, hole 39.37, L1_TOP to L16_BOT, tented top, 44 vias
v12: diameter 20, hole 10, L1_TOP to L16_BOT, tented top, 16 vias
v13: diameter 19, hole 10, L1_TOP to L16_BOT, tented top, 5 vias
v14: diameter 50, hole 28, L1_TOP to L16_BOT, 4 vias